# KiCad board frank_pga.kicad_pcb (continued)
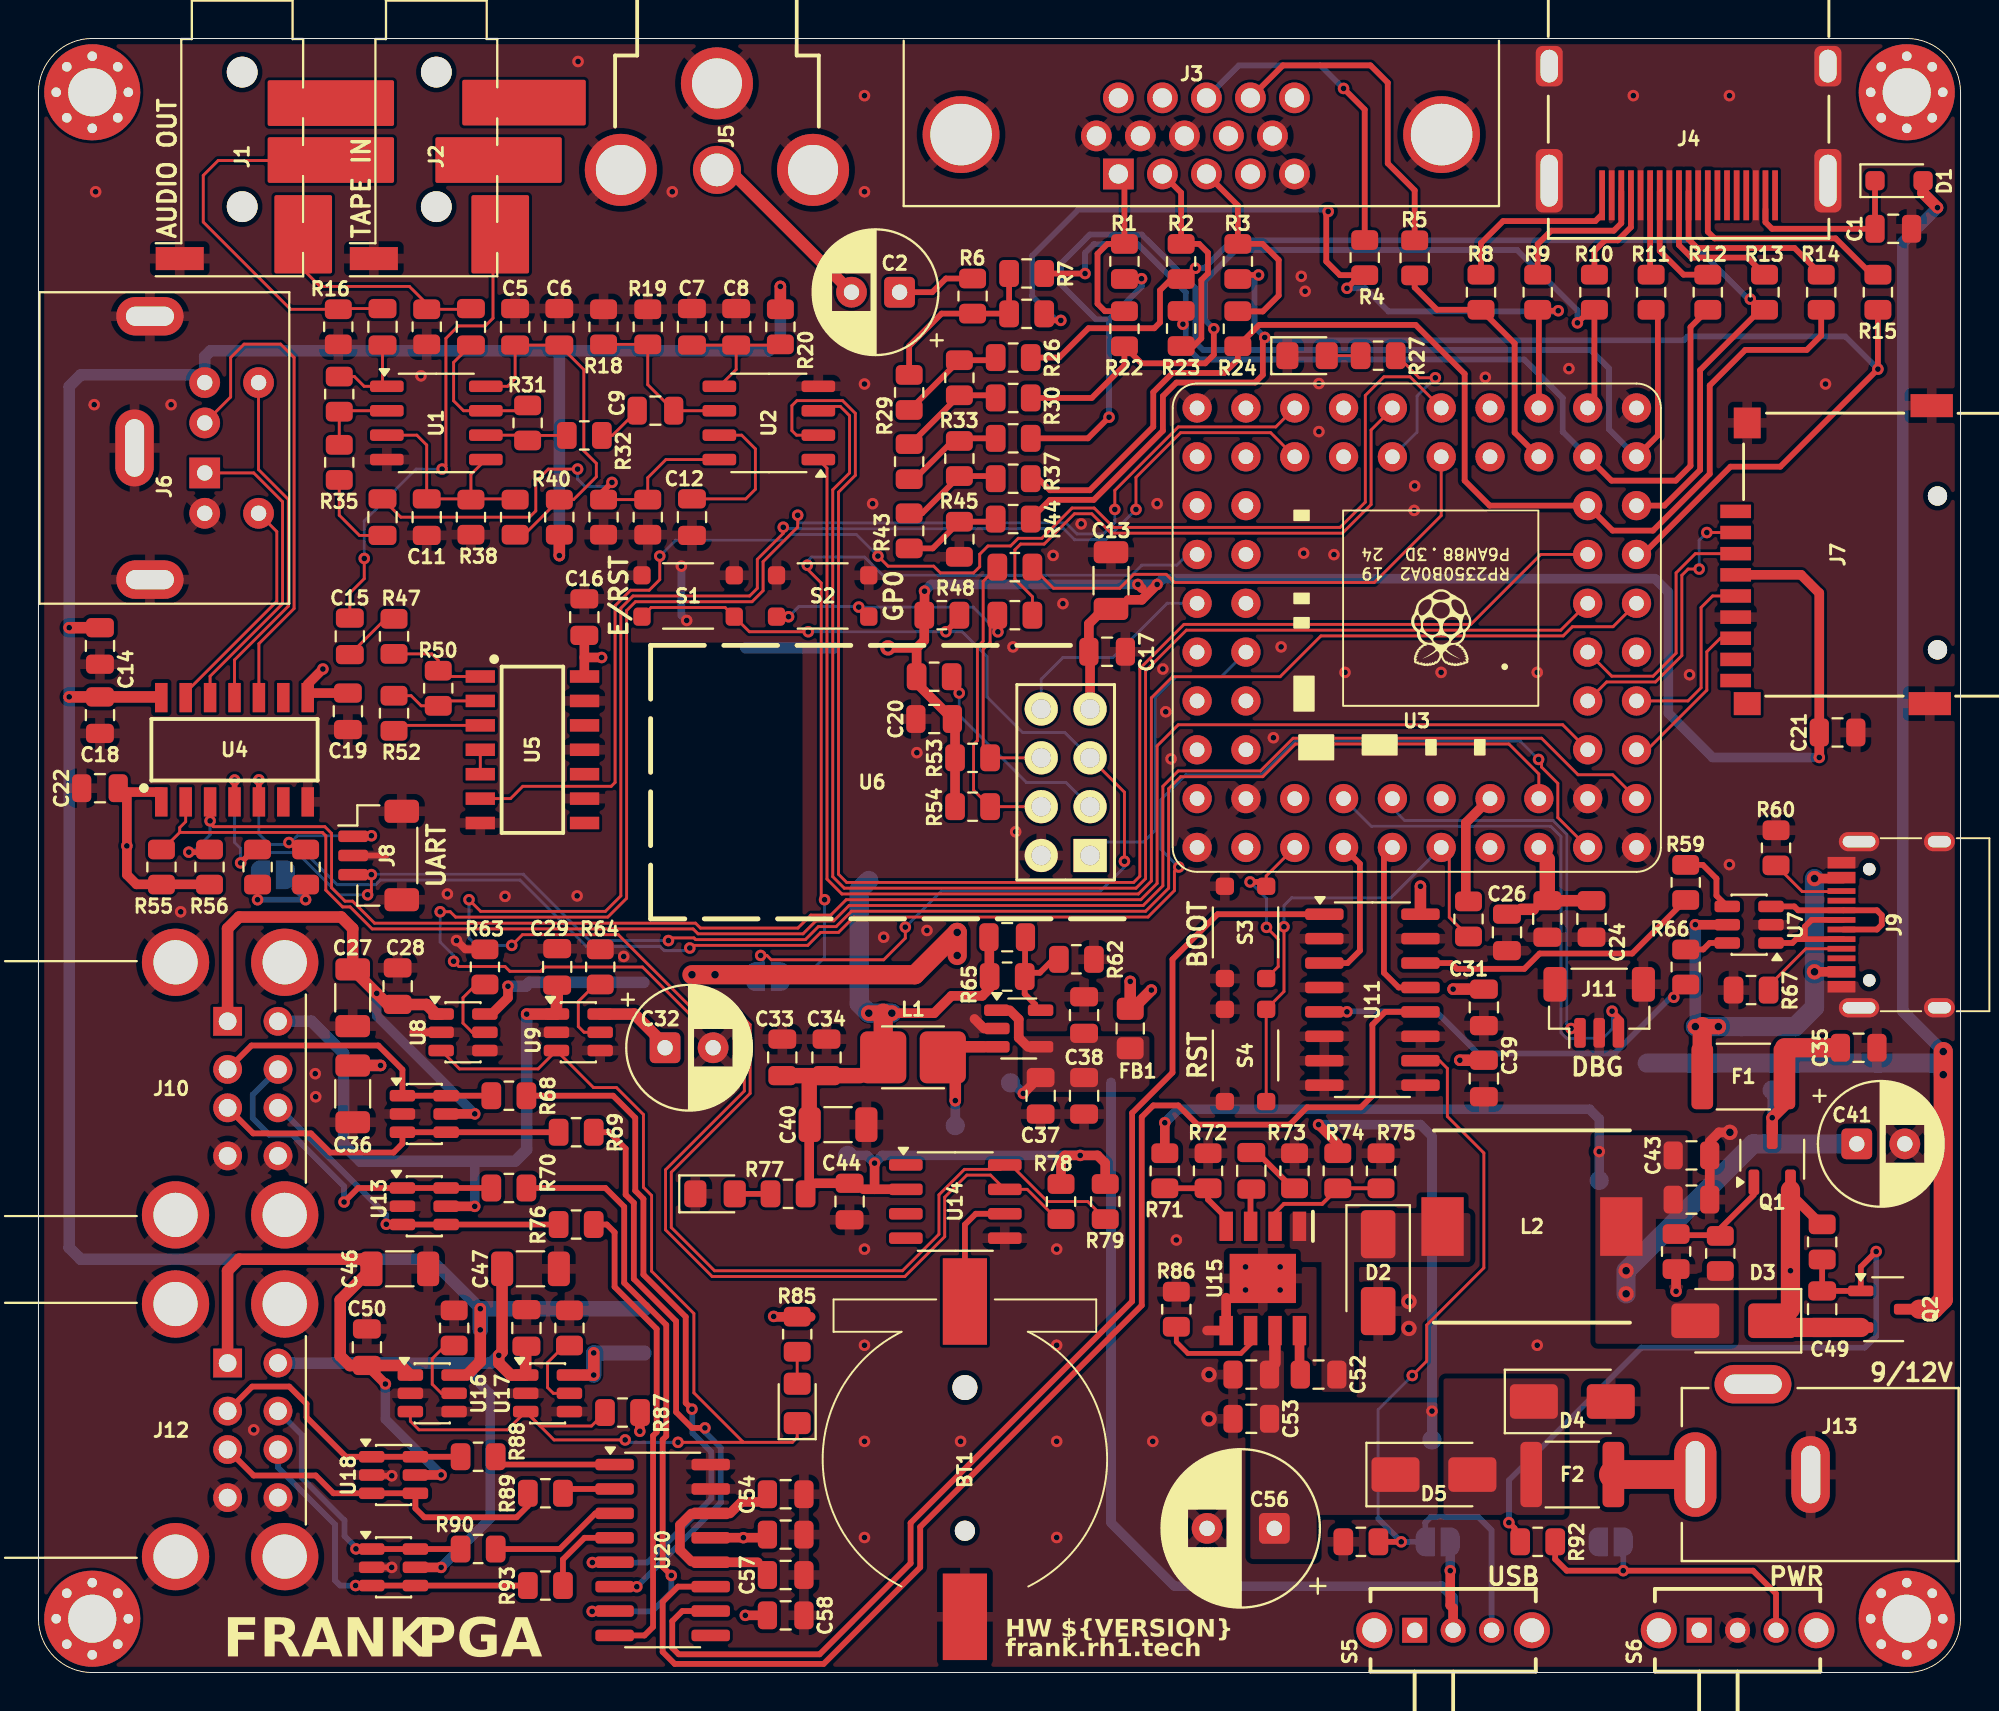
[diagram p0: board, top side]
## Footprints (pads in the part's own frame, mm; a bottom-side part is the same pattern mirrored in y, then rotated)
AudioJack_3.5mm_PJ320D_AudioOut
  round 1.6 hole 1.6 unplated: (-4.75,0) (2.25,0)
  rect 1.2x2.5 smd: R(-0.15,3.25) RN(-3.15,3.25) S(4.95,-3.25) T(3.85,3.25)
AudioJack_3.5mm_PJ320D_TapeIn
  round 1.6 hole 1.6 unplated: (-4.75,0) (2.25,0)
  rect 1.2x2.5 smd: R(-0.15,3.25) RN(-3.15,3.25) S(4.95,-3.25) T(3.85,3.25)
BarrelJack_DC-005
  oval 2.2x4.4 hole 1x3.5: 1(6,0)
  oval 2x4 hole 1x3: 2(0,0)
  oval 4x2 hole 3x1: 3(3,-4.7)
BarrelJack_RCJ-012
  round 2.5 hole 1.7: 1(0,1.25)
  round 3.75 hole 2.6: 2(-5,1.25) 2(0,5.75) 2(5,1.25)
Battery_CR1220
  round 1.05 hole 1.05 unplated: (0,3.725)
  round 1.3 hole 1.3 unplated: (0,-3.725)
  rect 2.3x4.5 smd: 1(0,-8.2) 2(0,8.2)
Button_SMD_3x4x2mm
  rrect 0.9x0.95 smd: 1(-2.4,-1.075) 2(-2.4,1.075) 3(2.4,-1.075) 4(2.4,1.075)
C_0805_2012Metric
  rrect 1x1.45 smd: 1(-0.95,0) 2(0.95,0)
C_1206_3216Metric
  rrect 1.15x1.8 smd: 1(-1.475,0) 2(1.475,0)
C_Radial_D6.3mm_P2.50mm
  rrect 1.6x1.6 hole 0.8: 1(0,0)
  round 1.6 hole 0.8: 2(2.5,0)
C_Radial_D8.0mm_P3.50mm
  rrect 1.6x1.6 hole 0.8: 1(0,0)
  round 1.6 hole 0.8: 2(3.5,0)
D_SMA
  rrect 2.5x1.8 smd: 1(-2,0) 2(2,0)
D_SOD-323
  rrect 1x1 smd: 1(-1.25,0) 2(1.25,0)
DSUB-15_Female
  round 4 hole 3.2: 0(-16.815,-2.05) 0(8.185,-2.05)
  rect 1.6x1.6 hole 1: 1(0,0)
  round 1.6 hole 1: 2(-2.29,0) 3(-4.58,0) 4(-6.87,0) 5(-9.16,0) 6(1.145,-1.98) 7(-1.145,-1.98) 8(-3.435,-1.98) 9(-5.725,-1.98) 10(-8.015,-1.98) 11(0,-3.96) 12(-2.29,-3.96) 13(-4.58,-3.96) 14(-6.87,-3.96) 15(-9.16,-3.96)
ESP-01S
  rect 1.727x1.727 hole 1.016: 1(0,0)
  oval 1.727x1.727 hole 1.016: 2(2.54,0) 3(0,-2.54) 4(2.54,-2.54) 5(0,-5.08) 6(2.54,-5.08) 7(0,-7.62) 8(2.54,-7.62)
Fuse_1812_4532Metric
  rrect 1.125x3.4 smd: 1(-2.138,0) 2(2.138,0)
HDMI_Female
  rect 0.3x2.6 smd: 1(4.5,0.76) 2(4,0.76) 3(3.5,0.76) 4(3,0.76) 5(2.5,0.76) 6(2,0.76) 7(1.5,0.76) 8(1,0.76) 9(0.5,0.76) 10(0,0.76) 11(-0.5,0.76) 12(-1,0.76) 13(-1.5,0.76) 14(-2,0.76) 15(-2.5,0.76) 16(-3,0.76) 17(-3.5,0.76) 18(-4,0.76) 19(-4.5,0.76)
  rrect 1.4x3.3 hole 0.9x2.7: 20(-7.25,0) 23(7.25,0)
  rrect 1.4x2.1 hole 0.9x1.7: 21(-7.25,-5.96) 22(7.25,-5.96)
Inductor_CDRH104RNP
  rect 2.2x3.05 smd: 1(-4.65,0) 2(4.65,0)
JST_SH_1x03_P1.00mm_Vertical
  rrect 0.6x1.55 smd: 1(1,-1.325) 2(0,-1.325) 3(-1,-1.325)
  rrect 1.2x1.8 smd: 2(-2.3,1.2) 2(2.3,1.2)
L_0805_2012Metric
  rrect 1.15x1.4 smd: 1(-1.025,0) 2(1.025,0)
L_Cenker_CKCS3015_HandSolder
  rrect 2.4x2.7 smd: 1(-1.55,0) 2(1.55,0)
LED_0805
  rrect 1.15x1.4 smd: 1(-1.025,0) 2(1.025,0)
MicroSD_SMD_Long
  round 1 hole 1 unplated: (-3.05,11.3) (4.95,11.3)
  rect 0.7x1.6 smd: 1(-2.25,0.8) 2(-1.15,0.8) 3(-0.05,0.8) 4(1.05,0.8) 5(2.15,0.8) 6(3.25,0.8) 7(4.35,0.8) 8(5.45,0.8) 9(6.55,0.8)
  rect 1.2x1.4 smd: 10(7.75,1.4)
  rect 1.2x2.2 smd: SH(-7.75,11) SH(7.75,10.9)
  rect 1.6x1.4 smd: SH(-6.85,1.4)
MiniDIN_6pin_Female
  rect 1.6x1.6 hole 0.8: 1(0,0)
  round 1.6 hole 0.8: 2(-2.6,0) 3(2.1,0) 4(-4.7,0) 5(2.1,2.8) 6(-4.7,2.8)
  oval 2x3.5 hole 1x2.5: 3(-8.15,-2.85) 3(5.55,-2.85)
  oval 4x2 hole 3x1: 3(-1.3,-3.65)
MountingHole_2.5mm_Pad_Via
  round 0.8 hole 0.5: 1(-1.875,0) 1(-1.326,1.326) 1(-1.326,-1.326) 1(0,1.875) 1(0,-1.875) 1(1.326,1.326) 1(1.326,-1.326) 1(1.875,0)
  round 5 hole 2.5: 1(0,0)
PGA2350
  round 1.524 hole 0.762: 1(-11.43,11.43) 1(-8.89,8.89) 2(-11.43,8.89) 3(-8.89,6.35) 4(-11.43,6.35) 5(-8.89,3.81) 6(-11.43,3.81) 7(-8.89,1.27) 8(-11.43,1.27) 9(-8.89,-1.27) 10(-11.43,-1.27) 11(-8.89,-3.81) 12(-11.43,-3.81) 13(-8.89,-6.35) 14(-11.43,-6.35) 15(-8.89,-8.89) 16(-11.43,-8.89) 17(-8.89,-11.43) 18(-11.43,-11.43) 19(-6.35,-11.43) 20(-6.35,-8.89) 21(-3.81,-11.43) 22(-3.81,-8.89) 23(-1.27,-11.43) 24(-1.27,-8.89) 25(1.27,-11.43) 26(1.27,-8.89) 27(3.81,-11.43) 28(3.81,-8.89) 29(6.35,-11.43) 30(6.35,-8.89) 31(8.89,-11.43) 32(8.89,-8.89) 33(11.43,-11.43) 34(11.43,-8.89) 35(8.89,-6.35) 36(11.43,-6.35) 37(8.89,-3.81) 38(11.43,-3.81) 39(8.89,-1.27) 40(11.43,-1.27) 41(8.89,1.27) 42(11.43,1.27) 43(8.89,3.81) 44(11.43,3.81) 45(8.89,6.35) 46(11.43,6.35) 47(11.43,8.89) 48(8.89,8.89) 48(11.43,11.43) 49(8.89,11.43) 50(6.35,8.89) 51(6.35,11.43) 52(3.81,8.89) 53(3.81,11.43) 54(1.27,11.43) 55(1.27,8.89) 56(-1.27,11.43) 57(-1.27,8.89) 58(-3.81,11.43) 59(-3.81,8.89) 60(-6.35,11.43) 61(-6.35,8.89) 62(-8.89,11.43)
R_0805_2012Metric
  rrect 1.025x1.4 smd: 1(-0.912,0) 2(0.912,0)
SO-8
  rrect 1.75x0.6 smd: 1(-2.575,1.905) 2(-2.575,0.635) 3(-2.575,-0.635) 4(-2.575,-1.905) 5(2.575,-1.905) 6(2.575,-0.635) 7(2.575,0.635) 8(2.575,1.905)
SOIC-9_P1.27mm
  rect 1.525x0.7 smd: 1(-2.712,1.905) 2(-2.712,0.635) 3(-2.712,-0.635) 4(-2.712,-1.905) 5(2.712,-1.905) 6(2.712,-0.635) 7(2.712,0.635) 8(2.712,1.905)
  rect 2.56x3.45 smd: 9(0,0)
SOIC-14_P1.27mm
  rect 1.525x0.65 smd: 1(-2.712,3.81) 2(-2.712,2.54) 3(-2.712,1.27) 4(-2.712,0) 5(-2.712,-1.27) 6(-2.712,-2.54) 7(-2.712,-3.81) 8(2.712,-3.81) 9(2.712,-2.54) 10(2.712,-1.27) 11(2.712,0) 12(2.712,1.27) 13(2.712,2.54) 14(2.712,3.81)
SolderJumper-2_P1.3mm_Open_RoundedPad1.0x1.5mm
  custom 1x1.5 smd: 1(-0.65,0) 2(0.65,0)
SOP-16_P1.27mm
  rrect 2x0.6 smd: 1(-2.5,4.445) 2(-2.5,3.175) 3(-2.5,1.905) 4(-2.5,0.635) 5(-2.5,-0.635) 6(-2.5,-1.905) 7(-2.5,-3.175) 8(-2.5,-4.445) 9(2.5,-4.445) 10(2.5,-3.175) 11(2.5,-1.905) 12(2.5,-0.635) 13(2.5,0.635) 14(2.5,1.905) 15(2.5,3.175) 16(2.5,4.445)
SOT-23-3L_AOS
  rrect 0.559x1.321 smd: 1(-0.953,-1.194) 2(0.953,-1.194) 3(0,1.194)
SOT-23-5
  rrect 1.325x0.6 smd: 1(-1.137,0.95) 2(-1.137,0) 3(-1.137,-0.95) 4(1.137,-0.95) 5(1.137,0.95)
SOT-23-6
  rrect 1.325x0.6 smd: 1(-1.137,0.95) 2(-1.137,0) 3(-1.137,-0.95) 4(1.137,-0.95) 5(1.137,0) 6(1.137,0.95)
Switch_Slide_SK12D07VG3NS
  rect 1.3x1.3 hole 0.8: 1(0,0)
  round 1.3 hole 0.8: 2(2,0) 3(4,0)
  round 1.875 hole 1.25: 4(-2.1,0) 5(6.1,0)
TestPoint_Pad_D1.0mm
  round 1 smd: 1(0,0)
USB_A_Stacked
  rect 1.5x1.5 hole 0.92: 1(0,0)
  round 1.5 hole 0.92: 2(0,-2.5) 3(0,-4.5) 4(0,-7) 5(2.62,0) 6(2.62,-2.5) 7(2.62,-4.5) 8(2.62,-7)
  round 3.5 hole 2.3: 9(-2.71,3.07) 9(-2.71,-10.07) 9(2.97,3.07) 9(2.97,-10.07)
USB_C_Receptacle
  round 0.65 hole 0.65 unplated: (-2.89,6.25) (2.89,6.25)
  rect 0.6x1.45 smd: 1(-3.225,7.695) 2(-2.45,7.695) 11(2.45,7.695) 12(3.225,7.695)
  rect 0.3x1.45 smd: 3(-1.75,7.695) 4(-1.25,7.695) 5(-0.75,7.695) 6(-0.25,7.695) 7(0.25,7.695) 8(0.75,7.695) 9(1.25,7.695) 10(1.75,7.695)
  oval 1x2.1 hole 0.6x1.7: 13(-4.32,6.78) 13(4.32,6.78)
  oval 1x1.6 hole 0.6x1.2: 13(-4.32,2.6) 13(4.32,2.6)

## Nets
+3V3: C13.1 C16.1 C17.1 C19.1 C20.1 C21.2 C22.1 C25.1 C33.1 C34.1 C40.1 C44.1 J7.4 JP1.1 L1.2 R48.1 R51.1 R53.1 R54.1 R55.1 R56.1 R65.1 R77.1 R78.2 R79.2 TP6.1 U4.1 U4.8 U5.14 U6.7 U14.2
+5V_DC: C41.1 C43.1 C45.2 D3.2 L2.2 R71.1 R81.1 TP7.1
+5V_SEL: C49.1 D3.1 Q1.2 Q2.2 R82.1 TP8.1
/Power/+5V_BUCK: C30.1 C37.1 C38.1 FB1.2 TP3.1 U10.1 U10.4
/Power/VBUS_USB_F: C35.1 F1.2 Q1.3 TP4.1
/Power/VIN_PROT: C51.1 C53.1 C56.1 D5.1 R74.2 TP9.1 U15.7
/USB-A/VBUS_A1: C46.1 C50.1 J12.1 U16.1 U18.5
/USB-A/VBUS_A2: C47.1 C48.1 J12.5 U17.1 U19.5
/USB-A/VBUS_A3: C27.1 C28.1 J10.1 U8.1 U12.5
/USB-A/VBUS_A4: C29.1 C36.1 J10.5 U9.1 U13.5
/VBUS_USB: F1.1 J9.2 J9.11 TP1.1 U7.5
GND: BT1.2 C1.2 C5.1 C6.2 C7.2 C8.2 C11.1 C12.2 C13.2 C14.2 C16.2 C17.2 C18.2 C19.2 C20.2 C21.1 C22.2 C23.2 C24.2 C26.2 C27.2 C28.2 C29.2 C30.2 C31.2 C32.2 C33.2 C34.2 C35.2 C36.2 C37.2 C38.2 C39.2 C40.2 C41.2 C43.2 C44.2 C45.1 C46.2 C47.2 C48.2 C50.2 C51.2 C53.2 C54.2 C55.2 C56.2 C57.2 C58.2 D2.2 D4.2 J1.S J2.S J3.0 J3.5 J3.6 J3.7 J3.8 J3.10 J4.2 J4.5 J4.8 J4.11 J4.17 J4.20 J4.21 J4.22 J4.23 J5.2 J6.3 J7.6 J7.SH J8.2 J9.1 J9.12 J9.13 J10.4 J10.8 J10.9 J11.2 J12.4 J12.8 J12.9 J13.2 JP4.1 LD1.1 LD2.1 R16.1 R17.1 R18.1 R19.2 R38.1 R41.2 R42.2 R45.1 R60.2 R62.2 R63.2 R64.2 R67.2 R72.1 R73.2 R75.2 R80.2 R83.2 R84.2 R86.2 R91.2 S1.2 S1.4 S2.2 S2.4 S3.2 S3.4 S4.2 S4.4 S6.2 U1.4 U2.4 U3.1 U3.18 U3.33 U3.48 U4.7 U5.7 U5.9 U5.11 U5.13 U6.2 U7.2 U8.2 U8.4 U9.2 U9.4 U10.2 U11.2 U11.4 U11.6 U11.7 U11.8 U11.9 U11.11 U11.15 U12.2 U13.2 U14.5 U15.5 U15.9 U16.2 U16.4 U17.2 U17.4 U18.2 U19.2 U20.15 U20.16
VBUS: C14.1 C18.1 C23.1 C24.1 C26.1 C31.1 C32.1 C39.1 C55.1 C58.1 D1.2 FB1.1 J6.4 JP3.1 Q2.3 R20.2 R40.1 R85.1 R87.1 S5.2 TP2.1 U3.60 U4.14 U8.6 U9.6 U11.16 U16.6 U17.6 U20.13
/Audio/AMP_OUTL: C4.2 J1.T R17.2
/Audio/AMP_OUTR: C3.2 J1.R R16.2
/Audio/TDA_L: C9.1 R18.2 R19.1 U2.6
/Audio/TDA_R: C10.1 R41.1 R42.1 U2.8
/Composite/CVBS: C2.2 J5.1
/ESP-01/ESP_EN: R51.2 U6.3
/ESP-01/ESP_GPIO0: R49.2 R53.2 S2.1 S2.3 U6.6
/ESP-01/ESP_GPIO2: R46.2 R54.2 U6.4
/ESP-01/ESP_RST: JP2.1 R48.2 S1.1 S1.3 U6.5
/HUB2_UP_DM: U11.1 U20.10
/HUB2_UP_DP: U11.12 U20.11
/LED_M_A: LD1.2 R27.2
/M0_PS_MS_CLK: J8.1 R57.2 U3.61 U4.4
/M1_PS_MS_DAT: J8.3 R58.2 U3.62 U4.5
/M2_PS_KB_CLK: R55.2 U3.2 U4.2
/M3_PS_KB_DAT: R56.2 U3.3 U4.3
/M4_SD_DAT0: J7.7 U3.4
/M5_SD_DAT3: J7.2 U3.5
/M6_SD_CLK: J7.5 U3.6
/M7_SD_CMD: J7.3 U3.7
/M9_AU_DATA: U2.3 U3.9
/M10_AU_SCLK: U2.1 U3.10
/M11_AU_LRCK: U2.2 U3.11
/M12_HV_CLK-_B0: R3.1 R15.2 R44.1 U3.12
/M13_HV_CLK+_B1: R14.2 R24.1 R37.1 U3.13
/M14_HV_D0-_G0: R2.1 R13.2 R26.1 U3.14
/M15_HV_D0+_G1: R7.1 R12.2 R23.1 U3.15
/M16_HV_D1-_R0: R1.1 R11.2 R34.1 U3.16
/M17_HV_D1+_R1: R10.2 R22.1 R30.1 U3.17
/M18_HV_D2-_HS: R4.2 R9.2 R21.1 U3.19
/M19_HV_D2+_VS: R5.2 R8.2 U3.20
/M22_TP_IN: U3.23 U5.6
/M23_ES_GPIO2: R46.1 U3.24
/M24_ES_GPIO0: R49.1 U3.25
/M25_LD: R27.1 U3.26
/M28_RT_SDA: R78.1 U3.29 U14.7
/M29_RT_SCL: R79.1 U3.30 U14.8
/M36_ES_RST: JP2.2 U3.38
/M38_ES_RX: U3.40 U6.8
/M39_ES_TX: U3.41 U6.1
/M_USB_DM: U3.53 U11.3
/M_USB_DP: U3.54 U11.13
/MCU/BOOTSEL: S3.1 S3.3 U3.51
/MCU/GP8: U3.8
/MCU/GP20: U3.21
/MCU/GP21: U3.22
/MCU/GP26: U3.27
/MCU/GP27: U3.28
/MCU/GP30: U3.31
/MCU/GP31: U3.32
/MCU/GP32: U3.34
/MCU/GP33: U3.35
/MCU/GP34: U3.36
/MCU/GP35: U3.37
/MCU/GP37: U3.39
/MCU/GP40: U3.42
/MCU/GP41: U3.43
/MCU/GP42: U3.44
/MCU/GP43: U3.45
/MCU/GP44: U3.46
/MCU/GP45: U3.47
/MCU/GP46: U3.49
/MCU/GP47: U3.50
/MCU/PGA_3V3: R61.1 U3.59
/MCU/RUN: R61.2 S4.1 S4.3 U3.56
/MCU/SWCLK: J11.3 U3.55
/MCU/SWDIO: J11.1 U3.52
/Power/DC_FUSED: D4.1 D5.2 F2.2
/Power/FB: C25.2 R62.1 R65.2 U10.5
/PS2/KB_CLK_5V: J6.5 U4.13
/PS2/KB_DATA_5V: J6.1 U4.12
/PS2/MS_CLK_5V: J6.6 U4.11
/PS2/MS_DATA_5V: J6.2 U4.10
/PS_MS_PU: JP1.2 R57.1 R58.1
/Tape In/TAPE: C15.2 J2.T
/USB-A/HUB2_VD33: C54.1 C57.1 U20.12 U20.14
/USB-A/OC_LED_A: LD3.2 R85.2
/USB-A/P0_DM: R88.1 U20.1
/USB-A/P0_DP: R89.1 U20.2
/USB-A/P1_DM: R90.1 U20.3
/USB-A/P1_DP: R93.1 U20.4
/USB-A/P2_DM: R68.1 U20.5
/USB-A/P2_DP: R69.1 U20.6
/USB-A/P3_DM: R70.1 U20.7
/USB-A/P3_DP: R76.1 U20.8
/USB-A/UA1_DM: J12.2 R88.2 U18.1 U18.6
/USB-A/UA1_DP: J12.3 R89.2 U18.3 U18.4
/USB-A/UA2_DM: J12.6 R90.2 U19.1 U19.6
/USB-A/UA2_DP: J12.7 R93.2 U19.3 U19.4
/USB-A/UA3_DM: J10.2 R68.2 U12.1 U12.6
/USB-A/UA3_DP: J10.3 R69.2 U12.3 U12.4
/USB-A/UA4_DM: J10.6 R70.2 U13.1 U13.6
/USB-A/UA4_DP: J10.7 R76.2 U13.3 U13.4
/USB-A/UA_ISET1: R83.1 U16.5
/USB-A/UA_ISET2: R84.1 U17.5
/USB-A/UA_ISET3: R63.1 U8.5
/USB-A/UA_ISET4: R64.1 U9.5
/USB-A/USB_OC: LD3.1 R87.2 U8.3 U9.3 U16.3 U17.3
/USB/UC_CC1: J9.4 R67.1
/USB/UC_CC2: J9.10 R60.1
/USB/UC_DM: R66.1 U11.5
/USB/UC_DM_C: J9.5 J9.7 U7.1
/USB/UC_DM_E: R66.2 U7.6
/USB/UC_DP: R59.1 U11.14
/USB/UC_DP_C: J9.6 J9.8 U7.3
/USB/UC_DP_E: R59.2 U7.4
/USB/USB_MODE: JP3.2 R91.1 S5.3 U11.10
Net-(BT1-+): BT1.1 U14.6
Net-(C2-Pad1): C2.1 R6.2
Net-(C3-Pad1): C3.1 R28.1 U1.1
Net-(C4-Pad1): C4.1 R31.1 U1.7
Net-(C9-Pad2): C9.2 R32.2
Net-(C10-Pad2): C10.2 R35.2
Net-(C15-Pad1): C15.1 R47.2
Net-(C42-Pad2): C42.2 R73.1
Net-(D1-K): C1.1 D1.1 J4.18
Net-(D2-K): C52.2 D2.1 L2.1 U15.1
Net-(F2-Pad1): F2.1 J13.1
Net-(J3-Pad1): J3.1 R1.2 R22.2
Net-(J3-Pad2): J3.2 R2.2 R23.2
Net-(J3-Pad3): J3.3 R3.2 R24.2
Net-(J3-Pad13): J3.13 R4.1
Net-(J3-Pad14): J3.14 R5.1
Net-(J4-CLKN): J4.12 R15.1
Net-(J4-CLKP): J4.10 R14.1
Net-(J4-D0N): J4.9 R13.1
Net-(J4-D0P): J4.7 R12.1
Net-(J4-D1N): J4.6 R11.1
Net-(J4-D1P): J4.4 R10.1
Net-(J4-D2N): J4.3 R9.1
Net-(J4-D2P): J4.1 R8.1
Net-(JP4-B): JP4.2 R92.2 S6.3
Net-(LD2-A): LD2.2 R77.2
Net-(Q1-G): Q1.1 R80.1 R81.2
Net-(Q2-G): C49.2 Q2.1 R82.2 R92.1
Net-(R21-Pad2): R6.1 R7.2 R21.2 R29.2
Net-(R25-Pad1): R25.1 R30.2 R36.2
Net-(R25-Pad2): R25.2 R26.2 R29.1
Net-(R33-Pad1): R33.1 R37.2 R43.2
Net-(R33-Pad2): R33.2 R34.2 R36.1
Net-(R43-Pad1): R43.1 R44.2 R45.2
Net-(U1A-+): C11.2 R38.2 R39.1 U1.3 U1.5
Net-(U1A--): R28.2 R35.1 U1.2
Net-(U1B--): R31.2 R32.1 U1.6
Net-(U1C-V+): C5.2 C6.1 R39.2 R40.2 U1.8
Net-(U2-FLT): C12.1 U2.7
Net-(U2-VA): C7.1 C8.1 R20.1 U2.5
Net-(U5-A): R47.1 R50.2 U5.1
Net-(U5-B): R52.1 U5.3
Net-(U5-C): U5.4 U5.5
Net-(U5-G-*A): R50.1 R52.2 U5.2
Net-(U10-LX): L1.1 TP5.1 U10.3
Net-(U15-BST): C52.1 U15.8
Net-(U15-COMP): C42.1 U15.3
Net-(U15-EN): R74.1 R75.1 U15.2
Net-(U15-FB): R71.2 R72.2 U15.4
Net-(U15-FREQ): R86.1 U15.6

Pads without a net: H1 1; H2 1; H3 1; H4 1; J1 RN; J2 R RN; J3 4 9 11 12 15; J4 13 14 15 16 19; J7 1 8 9 10; J9 3 9; J13 3; S5 1 4 5; S6 1 4 5; U3 57 58; U4 6 9; U5 8 10 12; U14 1 3 4; U20 9

## Via types
v1: diameter 0.6, hole 0.3, Top to Bottom, 202 vias
v2: diameter 0.8, hole 0.4, Top to Bottom, 20 vias

## Routing (per net, layer and track width the routed paths; a pad name or vN(x,y) marks a point on that pad's centre or on a via; arc(x,y) is an arc through that point)
+3V3: length 149.1
  Top w0.5: 53.2,25.9 53.2,26.7 53.4,26.9 v1(54.2,26.9) 55.1,26.9 55.5,26.5 55.5,25.9 ; C17.1 54.65,54.55 55.42,55.33 ; v1(43.5,26.5) 43.5,25.14 ; 40.42,25.45 41.48,25.45 ; 28.4,52.8 v1(29.3,52.8) ; R51.1 45.69,53.29 46.09,53.69 R48.1 ; 5.7,41 5.1,41 4.6,41.5 4.6,45.8 ; 28.4,53.45 28.4,52.14 ; 88.5,57.1 91.7,57.1 92.65,56.15 C21.2 ; 4.65,45.8 6.39,45.8 ; 40.1,27.6 40.1,25.6 ; 49.47,37.6 49.47,36.8 ; v1(58.2,56.6) 57.4,55.8 56.7,55.8 ; v1(57.2,56.6) 57.4,56.4 ; 49.49,35.59 49.1,35.2 47.5,35.2 46.6,34.3 v2(44.4,34.3) ; v2(44.2,53.3) 45.69,53.3 ; U6.7 54.71,53.04 ; R54.1 47.69,49.46 ; v1(14.8,52.2) 14.01,51.41 ; 45.69,51.46 C20.1 ; v1(46.1,56.25) 46.1,55 ; 6.4,41 8.9,41 ; 42.92,25.14 44.25,25.14 ; 14.31,50.95 15.37,50.95 ; v1(92.65,47.6) 92.65,48.5
  Top w0.8: v2(43.2,34.3) v2(44.4,34.3) ; 41.73,31.05 42.75,31.05 ; 39.42,31.05 40.28,31.05 ; 40.1,30.55 40.1,29.4
  Top w1: 43.95,34.3 43.95,33.1
  Bottom w0.5: TP6.1 43.1,26.9 v1(43.5,26.5) 43.9,26.9 v1(54.2,26.9) ; v1(46.1,56.25) 46.45,56.6 v1(58.2,56.6) 58.5,56.9 84.1,56.9 84.8,56.2 84.8,49.9 87.1,47.6 v1(92.65,47.6)
  Bottom w0.6: 36.8,53.3 41.4,53.3
  Bottom w1: v2(44.4,34.3) v2(43.2,34.3) 42.7,34.8 42.7,40.7 43.2,41.2
  vias: v1(4.6,43)
+5V_DC: length 42.7
  Top w0.5: v1(58.6,28.6) 58.6,27.3
  Bottom w0.5: v1(58.6,28.6) 59.3,29.3 80.7,29.3 81.2,28.8 v1(81.2,27.1) TP7.1
  Bottom w1: v2(82.6,19.7) v2(82.6,20.9) 89.2,27.5 93.8,27.5
+5V_SEL: length 13.1
  Top w0.5: 91.15,24.9 92.75,23.3
  Top w1: 91.15,25.1 91.15,18.9 ; 91.45,17.95 94.81,17.95
  Bottom w0.5: v1(91.15,20.9) TP8.1
/Power/+5V_BUCK: length 3.5
  Top w0.5: 50.53,34.45 51,33.98 51,33.02 51.48,32.54 ; v1(51.24,30.12) 51.7,30.58
  Bottom w0.5: v1(51.24,30.12) 50.85,30.51
/Power/VBUS_USB_F: length 6
  Top w0.6: 90.2,28.1 v1(90.2,28.86) 90.84,29.5
  Top w1: 90.84,32.5 C35.1
  Bottom w0.5: v1(90.2,28.86) TP4.1
/Power/VIN_PROT: length 24.8
  Top w0.5: 67.6,27.2 67.6,27.5 v1(66.6,28.5)
  Top w0.6: 64.33,17.2 64.33,16.1
  Bottom w0.5: v1(66.6,28.5) 71.9,28.5 72.5,27.9 v1(72.5,13.6) TP9.1
/USB-A/VBUS_A1: length 30.6
  Top w0.5: v1(20.95,10.28) 19.61,10.28 ; 17.09,15.97 v1(18.05,15.01)
  Top w0.6: 19.35,15.47 18.85,15.97 16.2,15.97 15.7,16.47 15.7,19.38 17.32,21 16.82,21.5 10.44,21.5 9.84,20.9 9.84,16.1
  Bottom w0.5: v1(18.05,15.01) 18.05,13.18 v1(20.95,10.28)
/USB-A/VBUS_A2: length 32.7
  Top w0.5: v1(20.95,5.47) 19.61,5.47
  Top w0.6: 25.35,16.47 25.35,15.78 ; 25.35,15.47 24.58,15.47 23.95,16.1 v1(23.95,16.5) 24.12,16.67 24.12,21
  Bottom w0.5: v1(20.95,5.47) 23.5,8.02 23.5,14.5 21.9,16.1
  Bottom w0.6: v1(23.95,16.5) 23.55,16.1 12.46,16.1
/USB-A/VBUS_A3: length 29.4
  Top w0.5: v1(22.7,29.06) 21.21,29.06
  Top w0.6: 9.84,33.88 9.84,38.7 10.44,39.3 15.75,39.3 16.35,38.7 16.35,36.58 18.18,34.75 20.19,34.75 20.69,34.25 20.95,34.25
  Bottom w0.5: v1(17.6,35.33) 17.6,34.16 v1(22.7,29.06)
/USB-A/VBUS_A4: length 36.3
  Top w0.5: v1(22.7,24.25) 21.21,24.25
  Top w0.6: 26.99,35.75 26.99,34.9 26.95,34.86 26.95,34.25 v1(25.4,34.25) ; 16.35,31.58 v1(17.8,31.58)
  Bottom w0.5: v1(22.7,24.25) 22.7,26.6
  Bottom w0.6: 12.46,33.88 14.2,33.88 15.88,32.2 15.88,27.47 16.75,26.6 24.8,26.6 25.4,27.2 v1(25.4,34.25) ; v1(17.8,31.58) 15.88,31.58
/VBUS_USB: length 27
  Top w0.5: 93.9,36.45 v2(92.4,36.45) ; 87.86,38.9 v1(86.2,38.9) ; 93.9,41.3 v2(92.4,41.3)
  Top w0.8: v2(86.2,33.6) v2(87.4,33.6)
  Top w1: 86.56,33.6 86.56,32.3
  Bottom w0.6: v2(87.4,33.6) TP1.1 ; v1(86.2,38.9) v2(86.2,33.6)
  Bottom w1: v2(86.2,33.6) 91.4,33.6 92.4,34.6 v2(92.4,41.3)
GND: length 15.1
  Top w0.3: v1(18.38,5.47) 17.83,5.47 ; v1(18.38,10.24) 17.83,10.24 ; J8.2 18.1,42.5
  Top w0.4: U8.2 19.5,33.31 ; 23.23,37.62 22.21,37.62 21.75,38.08
  Top w0.5: 85.2,20.5 v1(85.2,19.83) ; 86.95,26.17 86.95,25.33 ; 86.95,27.62 87.43,28.1 v2(88,28.1) ; 61.79,19.5 61.79,17.79 60.8,17.79 ; 49.2,33.5 48.7,34
  Bottom w0.4: v1(33.73,54.72) 33.45,55 v1(33.45,57.55)
  vias: v1(2.9,65.95) v1(2.98,77.03) v1(6.9,65.95) v1(7.4,39.57) v1(11.2,12.62) v1(14.4,31.15) v1(14.42,29.95) v1(19.9,67.45) v1(21.28,40.5) v1(21.75,38.08) v1(24.28,40.38) v1(28.03,40.4) v1(28.08,83.8) v1(30.45,37.25) v1(32.98,77.03) v1(42.98,82.03) v1(42.98,77.03) v1(42.98,67.03) v1(42.98,22.03) v1(42.98,17.03) v1(42.98,12.03) v1(42.98,7.03) v1(43.4,60.8) v1(43.98,38.25) v1(45.7,47.85) v1(46.23,38.6) v1(47.98,12.03) v1(50.7,53.35) v1(50.84,43.73) v1(52.79,58.11) v1(52.98,22.03) v1(52.98,17.03) v1(52.98,12.03) v1(52.98,7.03) v1(53.3,55.6) v1(54.25,59.75) v1(57.98,12.03) v1(58.2,60.8) v1(58.5,52.2) v1(58.65,49.97) v1(58.92,47.53) v1(59.2,22.5) v1(62.8,21.1) v1(62.8,19.9) v1(64.25,48.62) v1(64.65,53.35) v1(64.6,21.1) v1(64.6,19.9) v1(65.7,72.62) v1(65.83,58.22) v1(65.9,71.85) v1(66.62,67.05) v1(66.62,64.55) v1(67.4,58.15) v1(67.98,52.03) v1(71.6,61.72) v1(71.58,60.45) v1(72.98,52.03) v1(75.27,67.38) v1(77.98,52.03) v1(77.98,17.03) v1(79.63,67.83) v1(82.98,82.03) v1(85.9,51.9) v1(87.98,82.03) v1(87.98,42.03) v1(92.98,67.03) v2(60.9,15.5) v2(60.9,13.2) v2(71.3,19.3) v2(71.3,17.9)
VBUS: length 310.2
  Top w0.5: 40.17,18.5 38.28,18.5 v1(38.25,18.53) ; 73.6,2.85 73.6,3.35 73.45,3.5 v1(73.45,5.3) ; v1(36.78,2.97) 37.42,2.97 ; 31.29,12.82 v1(31.29,12.55) ; v1(24.43,35.7) 24.43,35.1 23.58,34.25 ; 35.98,7.01 37.42,7.01
  Top w0.6: 28.29,15.47 v1(28.89,15.47) v1(28.89,16.62) ; 71.9,39.6 v1(71.9,40.9) ; 79.23,40.15 80.08,40.15 ; 29.23,34.25 31,34.25 32.6,32.65 ; v1(22.99,18.92) 22.99,16.18 22.29,15.47 ; 98.05,77.1 98.05,76.95 v1(98.8,76.2) ; v1(27.1,58.1) 27.1,58.9 ; v1(57.9,35.5) 57.1,34.7 ; v1(73.6,35.55) 74.48,35.55 ; v1(56.8,35.95) 56.8,34.9 ; v1(1.6,50.75) 2.48,50.75 ; 77.13,39.7 77.77,39.7 ; v1(73.95,31.85) 74.48,31.85 ; 3.92,50.75 6.1,50.75 ; v1(38.6,72.1) 38.6,71.1 ; v1(1.6,54.35) 2.48,54.35
  Top w0.8: 78.5,40.65 78.5,42.3
  Top w1: 97.85,18.9 98.6,18.9 99.1,19.4 v2(99.1,32.3) ; v2(34,36.3) 45.6,36.3 v2(47.8,38.5) v2(47.8,37.3)
  Bottom w0.5: 73.6,2.85 73.6,3.9 73,4.5 59.1,4.5 55.8,7.8 55.8,30.7 ; v1(73.45,5.3) JP3.1
  Bottom w0.6: 31.5,35.9 25.55,35.9 25.35,35.7 v1(24.43,35.7) ; v1(38.6,72.1) 38.6,69.35 38,68.75 8.95,68.75 8.65,68.45 J6.4 ; v2(99.1,32.3) 97,34.4 97,74.4 v1(98.8,76.2) ; 22.99,18.92 20.41,21.5 2.2,21.5 1.6,22.1 1.6,66.9 2.2,67.5 8.05,67.5 ; 27.1,68.75 v1(27.1,58.1)
  Bottom w0.8: 28.89,15.47 28.89,16.62 31.5,16.62 ; 22.99,17.83 22.99,18.92 31.5,18.92
  Bottom w1: 99.1,31.7 83.7,31.7 ; v2(99.1,32.3) v2(99.1,31.1)
  vias: v1(22.99,17.83) v1(36.67,7.01) v2(35.2,36.3)
/Audio/AMP_OUTL: length 11.1
  Top w0.15: 20.2,71.2 19.3,72.1 14.65,72.1 13.85,72.9 J1.T ; R17.2 22.46,70.91
/Audio/AMP_OUTR: length 19.2
  Top w0.15: R16.2 13.11,70.91 8.58,75.45 8.58,77.88 9.35,78.65 J1.R ; C3.2 15.64,70.95
/Audio/TDA_L: length 8.7
  Top w0.15: R18.2 R19.1 31.7,66.99 C9.1 ; U2.6 33.06,65.64
/Audio/TDA_R: length 22.9
  Top w0.15: 29.75,61.01 R42.1 31.7,62.15 32.64,63.09 U2.8 ; v1(28.05,62.6) 26.53,62.6 25.88,61.95 25.88,60.42 25.55,60.1 18.85,60.1 C10.1
  Top w0.3: v1(29.84,61.91) 29.34,61.41
  Bottom w0.15: v1(28.05,62.6) 28.05,62.08 28.43,61.7 29.63,61.7 v1(29.84,61.91)
/Composite/CVBS: length 8.8
  Top w0.6: 36.05,78.05 C2.2
/ESP-01/ESP_EN: length 9.9
  Bottom w0.15: U6.3 53.45,46.3 51.4,46.3 47.9,49.8 47.9,50.94 v1(47.91,50.95)
/ESP-01/ESP_GPIO0: length 21.1
  Top w0.15: 49.15,47.94 49.15,53.22 49.51,53.59 49.51,54.62 ; R53.2 U6.6
  Bottom w0.15: v1(39.03,54.92) 39.56,55.45 42.65,55.45 v1(42.68,55.42) 48.63,55.42 v1(49.92,54.14)
/ESP-01/ESP_GPIO2: length 16
  Top w0.15: R46.2 49.15,56.76 49.15,53.65 48.85,53.35 48.85,48.47 48.65,48.28 48.65,45.9 R54.2 U6.4
/ESP-01/ESP_RST: length 57.1
  Top w0.15: v1(45.1,38.78) 45.1,38.2 43.98,37.08 38.12,37.08 37.9,37.3 v1(37.58,37.3) ; v1(56.5,42.2) 56.5,45.79 U6.5 ; v1(40.05,54.14) 36.99,54.14 S1.3 35.73,55.4 31.88,55.4 S1.1
  Top w0.3: v1(47.21,54.14) 47.6,54.53
  Bottom w0.15: v1(37.58,37.3) 37.7,37.17 37.7,36.6 ; v1(45.1,38.78) 46.98,40.65 55.25,40.65 56.5,41.9 v1(56.5,42.2) ; v1(40.05,54.14) v1(47.21,54.14) 48.06,54.14 49.35,52.85 49.35,50.75 51.2,48.9 53.39,48.9 U6.5
/HUB2_UP_DM: length 64
  Top w0.3: U11.1 61.35,39.44 59,37.1 59,31.21 56.9,29.11 56.9,19.31 45.38,7.78 45.38,5.68 40.64,0.95 33.31,0.95 32.98,1.28 32.98,2.68 33.5,3.2 U20.10
/HUB2_UP_DP: length 69.1
  Top w0.3: U11.12 70.07,34.36 69.4,33.7 69.4,30 68.8,29.4 66,29.4 65.1,28.5 60.3,28.5 59.3,29.5 58,29.5 57.4,28.9 57.4,19.1 45.88,7.57 45.88,5.47 40.85,0.45 33.1,0.45 32.48,1.07 32.48,3.68 33.27,4.47 U20.11
/LED_M_A: length 1.8
  Top w0.15: 67.02,68.5 R27.2
/M0_PS_MS_CLK: length 85.8
  Top w0.15: U3.61 78.06,46.74 76.5,48.3 65.4,48.3 63.7,46.6 59.42,46.6 58.8,45.98 58.8,40.8 57.6,39.6 42.3,39.6 41.5,38.8 40.58,38.8 39.9,38.12 34.19,38.12 34.1,38.21 32.91,38.21 v1(32.78,38.08) ; v1(17.32,41.51) 17.32,40.65 v1(17.12,40.46)
  Top w0.3: v1(10.21,46.43) 10.21,45.88 ; v1(10.52,42.12) 10.91,42.5
  Bottom w0.15: v1(32.78,38.08) 28.67,38.08 25.23,41.53 17.34,41.53 v1(17.32,41.51) ; v1(17.12,40.46) 15.64,40.46 13.45,42.65 11.05,42.65 v1(10.52,42.12) 10.52,42.87 10.21,43.18 v1(10.21,46.43)
/M1_PS_MS_DAT: length 91.7
  Top w0.15: U3.62 79.05,44.47 79.05,46.25 78.2,47.1 78.2,47.34 v1(78.05,47.5) ; v1(59.33,41.9) 59.1,41.67 59.1,40.68 57.72,39.3 42.42,39.3 41.62,38.5 40.7,38.5 40.03,37.83 34.03,37.83 v1(33.89,37.69)
  Top w0.3: v1(11.47,46.44) 11.47,45.89
  Bottom w0.15: v1(17.32,43.53) 17.32,43.53 13.47,43.53 13.12,43.17 v1(13.03,43.17) ; v1(13.03,43.17) 12.93,43.07 12.03,43.07 11.47,43.63 v1(11.47,46.44) ; v1(13.03,43.17) 13.13,43.07 13.45,43.07 15.54,40.98 17.54,40.98 17.78,41.22 25.05,41.22 28.5,37.78 32.33,37.78 32.56,37.55 33.75,37.55 v1(33.89,37.69) ; v1(59.33,41.9) 58.4,42.83 58.4,45.4 59.7,46.7 63.63,46.7 65.38,48.45 77.09,48.45 v1(78.05,47.5)
/M2_PS_KB_CLK: length 91.1
  Top w0.15: 7.35,43.7 14.78,43.7 14.95,43.53 14.95,40.7 15.83,39.83 16.22,39.83 17.36,38.68 34.06,38.68 34.32,38.42 39.78,38.42 40.45,39.1 41.38,39.1 42.18,39.9 57.48,39.9 58.5,40.92 58.5,46.1 59.3,46.9 63.58,46.9 65.28,48.6 78.2,48.6 80.1,46.7 81.9,46.7 U3.2 ; 7.35,43.7 7.35,43.95 7.66,44.26 U4.2 ; 7.35,43.7 6.46,42.81
/M3_PS_KB_DAT: length 88.6
  Top w0.15: U3.3 79.3,49.3 59.3,49.3 58.2,48.2 58.2,41.05 57.35,40.2 42.02,40.2 41.22,39.4 40.19,39.4 39.51,38.72 34.44,38.72 34.19,38.98 17.49,38.98 16.34,40.12 15.95,40.12 15.25,40.82 15.25,43.65 14.9,44 9.1,44 8.93,44.17 v1(8.93,44.3) U4.3
  Top w0.3: v1(7.82,42.67) 8.37,42.67
  Bottom w0.15: v1(7.82,42.67) 8.02,42.67 8.93,43.58 v1(8.93,44.3)
/M4_SD_DAT0: length 8.4
  Top w0.15: 88.5,53.8 87.5,53.8 86.8,53.1 86.8,51.1 83.7,48
/M5_SD_DAT3: length 14.7
  Top w0.15: v1(86.4,57.4) 85.82,57.4 85.5,57.08 85.5,52.9 84.13,51.53 81.59,51.53 U3.5 ; v1(86.8,59.3) J7.2
  Bottom w0.15: v1(86.8,59.3) 86.4,58.9 v1(86.4,57.4)
/M6_SD_CLK: length 10.1
  Top w0.15: U3.6 85.82,50.54 86.5,51.22 86.5,55.4 87.1,56 88.5,56
/M7_SD_CMD: length 13.5
  Top w0.15: 88.5,58.2 86.2,58.2 85.2,57.2 85.2,53.02 84,51.83 81.85,51.83 U3.7
/M9_AU_DATA: length 77.9
  Top w0.15: 40.8,65.86 41.72,65.86 42.2,65.38 42.2,62.4 41.32,61.52 41.32,41.4 41.92,40.8 57.1,40.8 57.6,41.3 57.6,52.1 59.72,54.22 79.2,54.22 U3.9
/M10_AU_SCLK: length 76.3
  Top w0.15: U2.1 41.02,62.65 41.02,41.28 41.8,40.5 57.23,40.5 57.9,41.17 57.9,50.7 59,51.8 64.6,51.8 66.72,53.92 79.33,53.92 79.8,54.4 81.92,54.4 U3.10
/M11_AU_LRCK: length 83.3
  Top w0.15: U3.11 78.16,58.16 74.52,54.52 59.6,54.52 57.3,52.22 57.3,41.42 56.98,41.1 42.05,41.1 41.62,41.52 41.62,61.4 42.5,62.28 42.5,65.5 41.84,66.16 39.46,66.16 39.2,65.9 39.2,64.6 39.44,64.36 U2.2
/M12_HV_CLK-_B0: length 74.4
  Top w0.3: v1(63.48,72.7) 62.93,72.7 ; R44.1 52.62,61 54.91,61 58.5,64.59 58.5,66.39 59.21,67.1 63.3,67.1 63.7,67.5 63.7,69.35 v1(63.8,69.45) ; 83.47,58.16 88.03,62.72 90.63,62.72 v1(95.7,67.8) R15.2
  Bottom w0.3: v1(63.48,72.7) 63.27,72.48 63.27,69.98 v1(63.8,69.45) 63.95,69.3 85.6,69.3 85.8,69.5 94,69.5 v1(95.7,67.8)
/M13_HV_CLK+_B1: length 62.3
  Top w0.3: R14.2 92.75,69.55 92,68.8 88.8,68.8 86.95,66.95 86.95,62.35 84,59.4 81.9,59.4 U3.13 75.5,60.7 74.2,62 74.2,67.55 71.65,70.1 63.51,70.1 R24.1 62.4,68.3 61.7,67.6 59,67.6 58,66.6 58,64.8 54.7,61.5 52.62,61.5 52.03,62.1 R37.1
/M14_HV_D0-_G0: length 54.4
  Top w0.3: 89.59,70.89 86.45,67.75 86.45,62.56 84.59,60.7 U3.14 ; 58.94,72.49 58.35,71.9 58.35,70.22 58.05,69.93 54.63,69.93 53.1,68.4 R26.1
  Bottom w0.3: v1(89.06,71.44) 88.96,71.44 85.9,74.5 62.09,74.5 60.64,73.05 v1(60.2,73.05)
/M15_HV_D0+_G1: length 51.6
  Top w0.3: U3.15 81.84,62 85.19,62 85.95,62.76 85.95,69.99 R12.2 ; v1(54.45,72.77) 52.33,72.77
  Bottom w0.3: U3.15 79.3,64.54 79.3,66.3 77.3,68.3 60.38,68.3 59.69,68.99 59.69,69.99 v1(59.54,70.14) 59.69,70.29 59.69,71.8 57.19,74.3 54.91,74.3 54.45,73.84 v1(54.45,72.77)
/M16_HV_D1-_R0: length 63.7
  Top w0.3: v1(55.7,65.3) 54.6,64.2 R34.1 ; 84.25,70.54 84.25,64.35 U3.16 ; v1(57.39,72.5) 57.12,72.5
  Bottom w0.3: 55.7,70.39 55.01,70.39 53.2,72.2 53.2,73.3 54.7,74.8 57.4,74.8 60.19,72.01 60.19,69.19 60.59,68.8 80.75,68.8 81.71,67.84 81.71,64.67 U3.16 ; 55.7,70.39 v1(55.7,65.3) ; 55.7,70.39 57.4,72.09 57.4,72.49 v1(57.39,72.5)
/M17_HV_D1+_R1: length 43.1
  Top w0.3: v1(61.15,69.9) 61.15,68.55 60.7,68.1 57.39,68.1 R22.1 56.5,68 54.8,66.3 R30.1 ; R10.2 80.95,66.13 ; v1(80.07,70.21) 80.46,70.6
  Bottom w0.3: v1(80.07,70.21) 80.07,70.86 76.92,74 62.3,74 60.69,72.39 60.69,70.36 v1(61.15,69.9)
/M18_HV_D2-_HS: length 43.7
  Top w0.3: v1(79.07,70.84) 78.52,70.84 ; v1(68.08,72) 68.47,72.39 ; v1(67.1,76) 67,75.9 67,73.4 67.71,72.69 R4.2 ; U3.19 78.06,70.83 ; v1(53.19,70.33) 52.64,70.33
  Bottom w0.3: v1(67.1,76) 67,76.1 54.1,76.1 51.7,73.7 51.7,71.59 52.95,70.33 v1(53.19,70.33) ; v1(68.08,72) 69.03,72 70.23,70.8 78.83,70.8 78.87,70.84 v1(79.07,70.84)
/M19_HV_D2+_VS: length 13.5
  Top w0.3: R5.2 71.6,72.05 72.76,70.89 R8.2 76.8,69.14 76.8,64.5 U3.20
/M22_TP_IN: length 71.8
  Top w0.15: 32.33,57.88 32.33,56.85 31.78,56.3 30.81,56.3 30,55.49 30,46.3 29.8,46.1 25.2,46.1 24.56,45.46 U5.6 ; U3.23 71.36,67.4 70,67.4 69.03,66.43 69.03,60.88 67.72,59.57 55.93,59.57 54.92,60.58 53.77,60.58 52.2,59 50.98,59 50.58,58.6 49.4,58.6 48.97,58.17 48.97,57.52 48.65,57.2 46.92,57.2 46.58,57.55 44.2,57.55 v1(43.67,58.08)
  Bottom w0.15: v1(32.33,58.08) 33.15,58.9 38.82,58.9 39.12,59.2 42.55,59.2 v1(43.67,58.08)
/M23_ES_GPIO2: length 26.7
  Top w0.15: R46.1 52.81,56.4 56.26,56.4 56.98,57.12 58.67,57.12 59.1,56.7 69.5,56.7 72.98,60.18 U3.24
/M24_ES_GPIO0: length 29.6
  Top w0.15: R49.1 51.71,55.96 50.8,56.88 50.8,58.4 51.1,58.7 52.32,58.7 53.9,60.28 54.8,60.28 55.81,59.27 67.84,59.27 69.33,60.76 69.33,64.63 70.44,65.74
/M25_LD: length 7.5
  Top w0.15: 70.68,68.5 71.83,67.35 v1(72.67,67.35)
  Bottom w0.15: v1(72.67,67.35) 71.73,66.4 71.73,64.53 U3.26
/M28_RT_SDA: length 124.8
  Top w0.15: v1(56,60.5) 56,61.49 59.3,64.79 64.37,64.79 U3.29 ; v1(39.5,60.2) 39.5,59.58 37.7,57.78 37.7,56.28 37.12,55.7 31.06,55.7 30.6,55.24 30.6,40.28 29.62,39.3 21.7,39.3 21.42,39.58 v1(20.9,39.58) ; 52.99,23.59 51.44,25.14 50.56,25.14 ; U14.7 49.53,25.88 48.3,25.88 47.15,24.73 47.15,22.68 45.07,20.6 35.05,20.6 32.62,23.03 32.62,26.15 36.73,30.25 36.73,33.58 36.03,34.28 33.85,34.28 31.43,36.7 26.35,36.7 26.12,36.47 24.53,36.47 24.28,36.72 21.88,36.72 v1(21.6,37)
  Bottom w0.15: v1(56,60.5) 56,59.82 55.4,59.22 54.03,59.22 53.46,59.8 39.55,59.8 39.53,59.83 39.53,60.17 v1(39.5,60.2) ; v1(21.6,37) 21.6,37.3 20.9,38 v1(20.9,39.58)
/M29_RT_SCL: length 124.4
  Top w0.15: v1(57.1,60.5) 57.1,62.17 59.43,64.49 64.11,64.49 U3.30 ; v1(24.62,37.83) 25.18,38.38 30.17,38.38 33.98,34.58 36.15,34.58 37.03,33.7 37.03,30.12 32.92,26.03 32.92,23.15 35.17,20.9 44.95,20.9 46.85,22.8 46.85,24.85 48.17,26.17 50.05,26.17 U14.8 ; R79.1 54.59,24.5 52.5,24.5 50.59,26.41 ; v1(22.4,40.2) 23.01,39.59 29.5,39.59 30.3,40.4 30.3,55.37 30.93,56 37,56 37.4,56.4 37.4,57.91 38.75,59.26 v1(38.75,59.58)
  Bottom w0.15: v1(24.62,37.83) 22.78,37.83 22.4,38.2 v1(22.4,40.2) ; v1(57.1,60.5) 55.52,58.92 53.91,58.92 53.33,59.5 38.83,59.5 v1(38.75,59.58)
/M36_ES_RST: length 44.5
  Top w0.15: v1(40,57.6) 40,57.4 40.72,56.68 40.72,40.38 v1(40.9,40.2)
  Bottom w0.15: v1(40.9,40.2) 40.9,37.2 39.9,36.2 JP2.2 ; v1(40,57.6) 40,57.8 40.23,58.03 42.98,58.03 43.93,57.08 56.88,57.08 57.4,57.6 59.23,57.6 59.88,58.25
/M38_ES_RX: length 11.3
  Bottom w0.15: U3.40 58.72,55.62 55.9,52.8 53.3,52.8 52.17,51.67 U6.8
/M39_ES_TX: length 15.5
  Bottom w0.15: U3.41 61.54,51.8 59.2,51.8 58.1,50.7 58.1,43.8 57.5,43.2 55.41,43.2
/M_USB_DM: length 7.8
  Top w0.3: U11.3 68.11,36.91 68.75,37.55 68.75,42.07 U3.53
/M_USB_DP: length 8.9
  Top w0.3: U3.54 70,42.48 70,36.4 70.77,35.64 U11.13
/MCU/BOOTSEL: length 9.1
  Top w0.15: 63.88,40.9 63.88,41.44 U3.51 ; 63.88,36.1 64.5,36.72 64.5,38.15 v1(63.89,38.76)
  Top w0.3: v1(63.03,41.13) 63.58,41.13
  Bottom w0.15: v1(63.03,41.13) 63.89,40.27 v1(63.89,38.76)
/MCU/PGA_3V3: length 4.7
  Top w0.5: 74.26,40.6 74.26,44.2 75.04,44.98
/MCU/RUN: length 24.6
  Top w0.15: v1(64.8,38.8) 64.8,35.42 63.88,34.5 63.88,29.7 ; R61.2 73.4,39.29 73.4,42.5
  Bottom w0.15: U3.56 70.36,40.3 65.2,40.3 64.8,39.9 v1(64.8,38.8)
/MCU/SWCLK: length 19.8
  Bottom w0.15: 70.44,44.96 71.08,44.32 78.8,44.32 79.51,43.61 79.51,33.73 v1(79.74,33.5)
/MCU/SWDIO: length 26.9
  Top w0.3: v1(81.87,34.4) 82.33,33.94
  Bottom w0.15: U3.52 69.34,44.02 78.68,44.02 79.21,43.49 79.21,33.28 79.52,32.98 79.95,32.98 79.98,33 81.4,33 81.9,33.5 81.9,34.17 81.87,34.2 v1(81.87,34.4)
/Power/FB: length 4.5
  Top w0.3: 51.31,35.9 51.31,35.3 51.86,34.75 51.86,34.5 ; 51.33,37.9 51.33,36.5 ; 52.8,37.1 52.1,36.4 51.6,36.4
/PS2/KB_CLK_5V: length 11.7
  Top w0.15: 7.66,50.98 12.4,55.72 12.4,59.35 J6.5
/PS2/KB_DATA_5V: length 16.4
  Top w0.15: U4.12 8.93,51.83 12.7,55.6 12.7,60.9 11.2,62.4 J6.1
/PS2/MS_CLK_5V: length 18.2
  Top w0.15: J6.6 11.45,62.57 13,61.02 13,55.47 10.2,52.67 U4.11
/PS2/MS_DATA_5V: length 26.3
  Top w0.15: J6.2 10,66.35 10,68.4 10.7,69.1 12.6,69.1 13.3,68.4 13.3,55.35 11.47,53.52 U4.10
/PS_MS_PU: length 4.9
  Top w0.15: R57.1 v1(11.4,40.2)
  Top w0.3: 13.9,40.99 v1(13.9,40.2)
  Bottom w0.3: v1(11.4,40.2) v1(13.9,40.2) 13.3,40.8
/Tape In/TAPE: length 24.2
  Top w0.15: C15.2 16.2,56.15 16.95,56.9 v1(16.95,57.95) ; v1(21,62.6) 21.2,62.8 21.2,69.4 21.85,70.05 23.25,70.05 23.65,70.45 23.65,74.35
  Bottom w0.15: v1(21,62.6) 19.65,62.6 16.95,59.9 v1(16.95,57.95)
/USB-A/HUB2_VD33: length 6.1
  Top w0.5: 33.98,5.78 33.38,6.38 33.38,7.68 33.98,8.28 ; 35.98,5.74 37.42,5.74 ; 37.42,8.88 36.58,8.88 35.98,8.28
/USB-A/OC_LED_A: length 1.7
  Top w0.15: R85.2 LD3.2
/USB-A/P0_DM: length 6.4
  Top w0.3: U20.1 24.19,10.82 R88.1
/USB-A/P0_DP: length 2.5
  Top w0.3: U20.2 27.51,9.55
/USB-A/P1_DM: length 7
  Top w0.3: U20.3 28.98,8.28 27.12,6.43 R90.1
/USB-A/P1_DP: length 4.5
  Top w0.3: R93.1 27.29,5.89 28.41,7.01 U20.4
/USB-A/P2_DM: length 35.1
  Top w0.3: R68.1 29.89,30 31.05,28.85 31.05,25.06 31.48,24.64 31.48,20.7 33.67,18.5 33.67,14.03 v1(34,13.7)
  Bottom w0.3: v1(34,13.7) 34.03,13.68 34.03,12.46 35,11.48 35,9.04 31.68,5.72 v1(28.82,5.72)
/USB-A/P2_DP: length 29.1
  Top w0.3: R69.1 29.7,28.11 30.55,27.25 30.55,24.86 30.98,24.43 30.98,20.47 33.17,18.28 33.17,13.55 34,12.72 v1(34.67,12.72)
  Bottom w0.3: v1(31.13,4.47) 35.5,8.83 35.5,11.69 34.67,12.51 v1(34.67,12.72)
/USB-A/P3_DM: length 31.2
  Top w0.3: v1(32.92,5.05) 32.48,5.5 32.48,12.11 32.66,12.3 32.66,18.08 30.48,20.27 30.48,24.22 29.5,25.2 R70.1
  Bottom w0.3: v1(28.81,3.18) 31.93,3.18 32.92,4.18 v1(32.92,5.05)
/USB-A/P3_DP: length 24.9
  Top w0.3: R76.1 29.57,23.31 29.98,22.9 29.98,20.06 32.16,17.87 32.16,12.51 31.98,12.32 31.98,2.38 31.53,1.93 U20.8
/USB-A/UA1_DM: length 14.6
  Top w0.3: J12.2 11.12,14.88 13.05,14.88 13.95,13.97 13.95,13.28 16,11.22 U18.1 U18.6 R88.2
/USB-A/UA1_DP: length 18.4
  Top w0.3: R89.2 25.46,8.66 24.88,8.07 20.08,8.07 19.61,8.54 19.61,9.32 15.35,9.32 14.42,10.25 11.19,10.25 J12.3
/USB-A/UA2_DM: length 13.5
  Top w0.3: R90.2 U19.6 U19.1
  Bottom w0.3: J12.6 13.7,12.36 13.7,10.14 15.92,7.91 15.92,7.1 16.52,6.51 v1(16.52,6.43)
/USB-A/UA2_DP: length 17.3
  Top w0.3: R93.2 U19.4 U19.3
  Bottom w0.3: J12.7 12.46,10.67 15.42,7.71 15.42,4.8 15.7,4.53 v1(16.5,4.53)
/USB-A/UA3_DM: length 16.1
  Top w0.3: J10.2 11.08,32.62 17.68,32.62 18.94,31.36 18.94,30 R68.2
